# Altium PCB ADAPTONE_CARTE_DE_SON_V2.PcbDoc (part 1 of 2)
Units mil, origin at the board's own origin, x right, y up, seen from the top; angles counter-clockwise.
Board outline 6000 x 4000 mil, 2 copper layers (Top Layer, Bottom Layer); 585 components, 362 nets, 1738 pads, 0 vias.
Unrouted connection lines stored in the file: 1315.
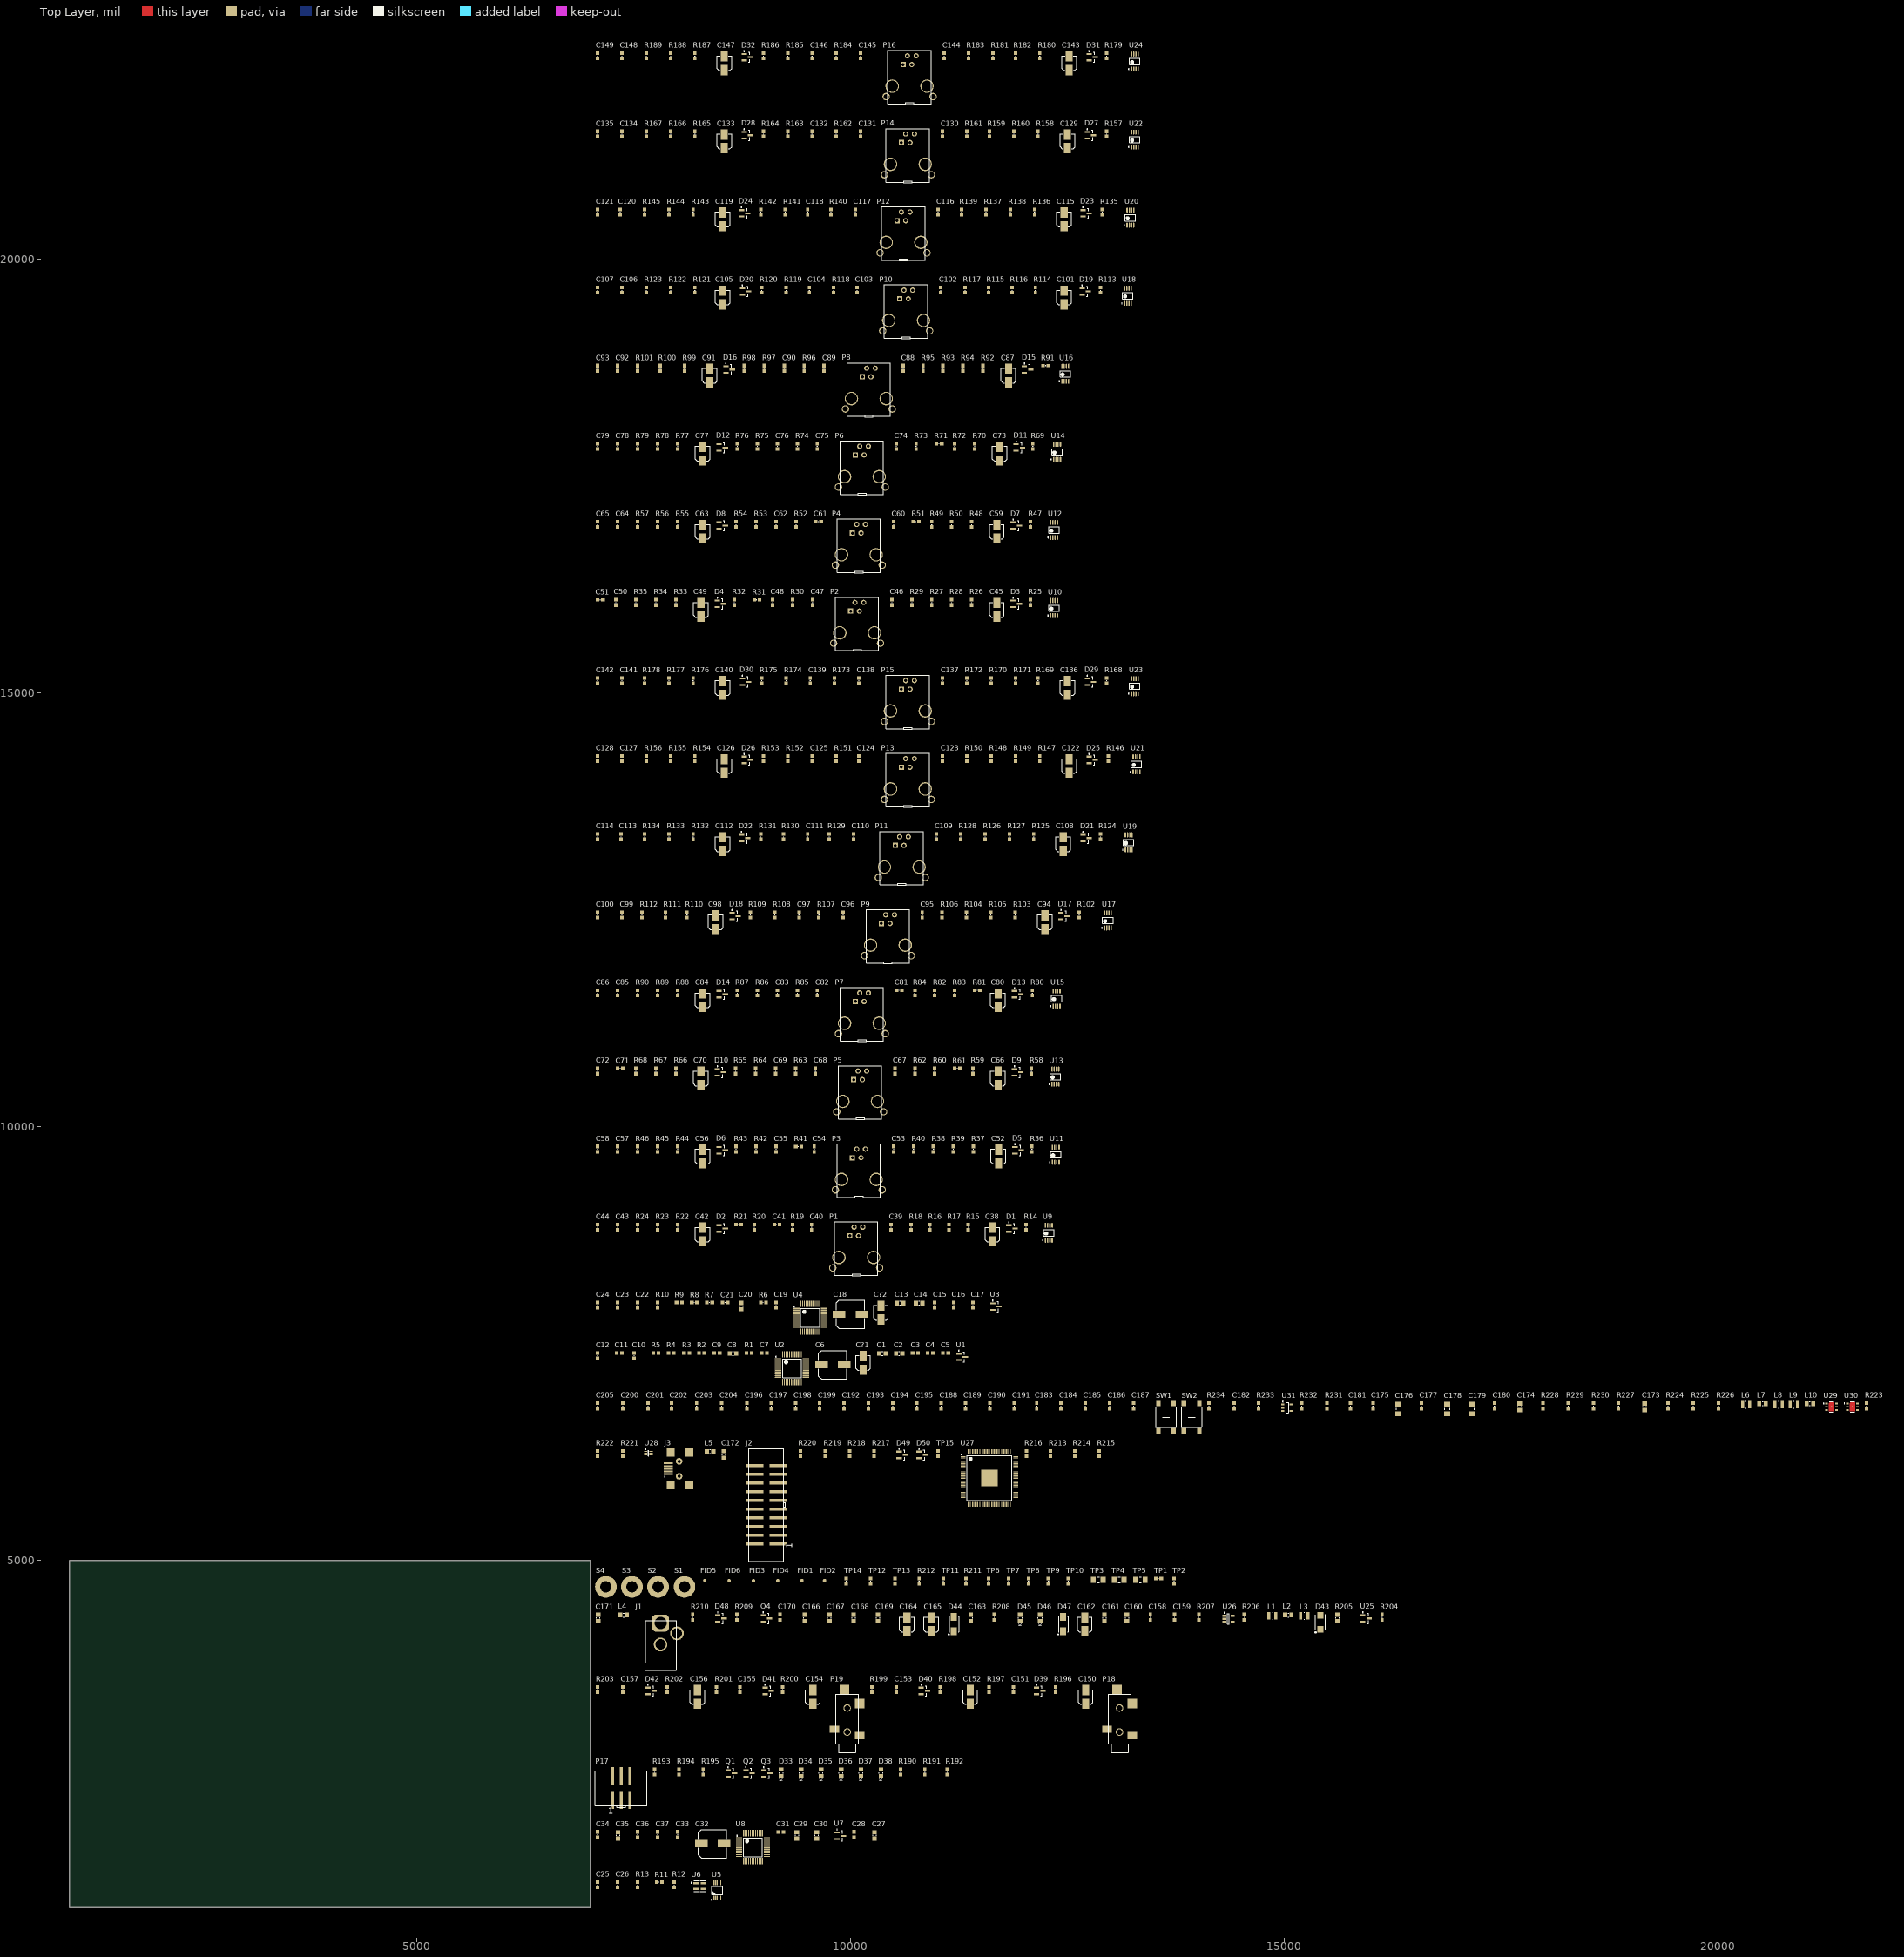
[diagram p0: Top Layer view]
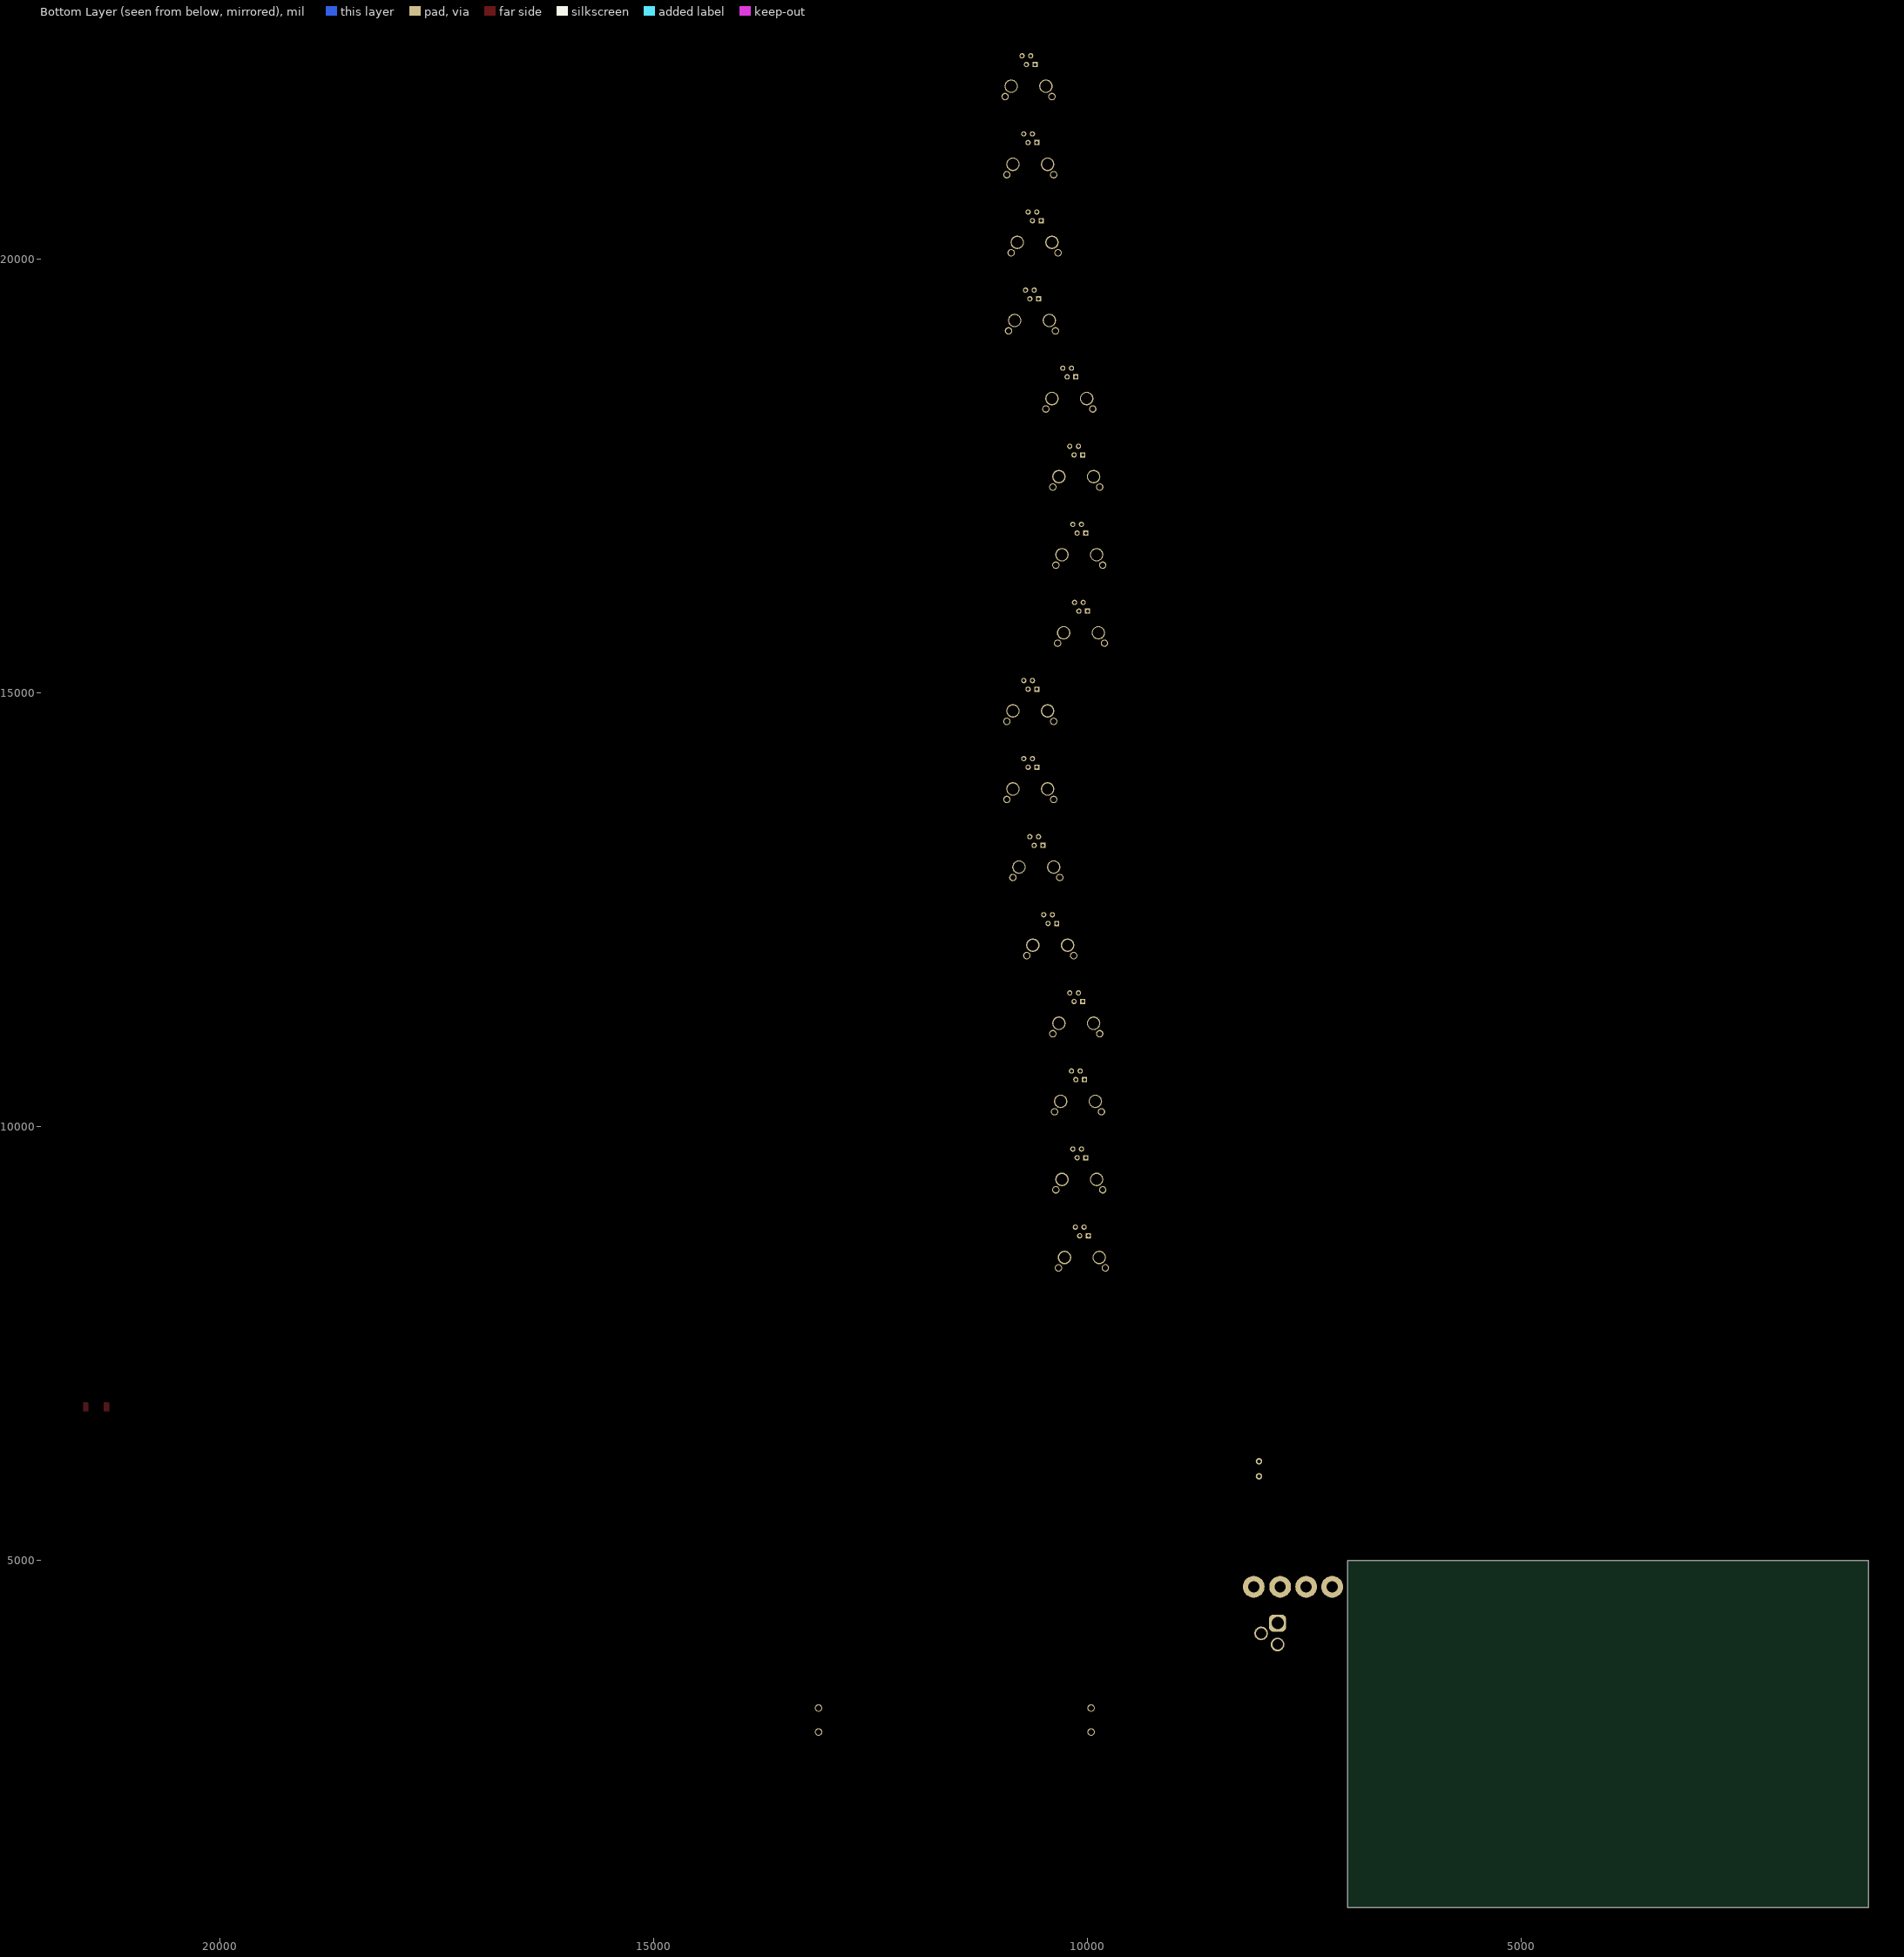
[diagram p1: Bottom Layer view, seen from below]

## Layer stack, top to bottom
Top Solder: solder mask 0.4, Solder Resist, Dk 3.5
Top Layer: signal copper 1.4
Dielectric 1: dielectric 12.6, FR-4, Dk 4.8
Bottom Layer: signal copper 1.4
Bottom Solder: solder mask 0.4, Solder Resist, Dk 3.5

## Board outline
1000,1000 7000,1000 7000,5000 1000,5000

## Design rules (kind name [scope] priority, off if disabled: settings)
Clearance [All] p1: gap=10 ignorepadtopadclearanceinfootprint=FALSE except(0: Arc-Hole Track-Hole SMDPad-Hole THPad-Hole Via-Hole Fill-Hole Poly-Hole Region-Hole Text-Hole)
DiffPairsRouting [All] p1: maxlimit=10 minlimit=10 mostfreqgap=10 toplayer_minwidth=15 toplayer_maxwidth=15 toplayer_prefwidth=15 bottomlayer_minwidth=15 bottomlayer_maxwidth=15 bottomlayer_prefwidth=15 maxuncoupledlength=500
PolygonConnect [All] p1: connectstyle=Relief reliefconductorwidth=10 reliefentries=4 polygonreliefangle="90 Angle" airgapwidth=10
RoomDefinition XMOS_power [InComponentClass('XMOS_power')] p1: confinementstyle=ConfineIn formatcopy=TRUE lockcomponents=FALSE outline 7045,6450 21925,6450 21925,6950 7045,6950
RoomDefinition XMOS1 [InComponentClass('XMOS1')] p2: confinementstyle=ConfineIn formatcopy=TRUE lockcomponents=FALSE outline 7045,4980 13070,4980 13070,6400 7045,6400
RoomDefinition TopLevel [InComponentClass('TopLevel')] p3: confinementstyle=ConfineIn formatcopy=TRUE lockcomponents=FALSE outline 7045,4560 13885,4560 13885,4930 7045,4930
RoomDefinition Power1 [InComponentClass('Power1')] p4: confinementstyle=ConfineIn formatcopy=TRUE lockcomponents=FALSE outline 7045,3725 16340,3725 16340,4515 7045,4515
RoomDefinition OutputConnectors [InComponentClass('OutputConnectors')] p5: confinementstyle=ConfineIn formatcopy=TRUE lockcomponents=FALSE outline 7045,2775 13315,2775 13315,3680 7045,3680
RoomDefinition Other1 [InComponentClass('Other1')] p6: confinementstyle=ConfineIn formatcopy=TRUE lockcomponents=FALSE outline 7045,2060 11320,2060 11320,2730 7045,2730
RoomDefinition InputAmplifier82 [InComponentClass('InputAmplifier82')] p7: confinementstyle=ConfineIn formatcopy=TRUE lockcomponents=FALSE outline 7045,21660 13385,21660 13385,22510 7045,22510
RoomDefinition InputAmplifier81 [InComponentClass('InputAmplifier81')] p8: confinementstyle=ConfineIn formatcopy=TRUE lockcomponents=FALSE outline 7045,14460 13385,14460 13385,15310 7045,15310
RoomDefinition InputAmplifier72 [InComponentClass('InputAmplifier72')] p9: confinementstyle=ConfineIn formatcopy=TRUE lockcomponents=FALSE outline 7045,20760 13385,20760 13385,21610 7045,21610
RoomDefinition InputAmplifier71 [InComponentClass('InputAmplifier71')] p10: confinementstyle=ConfineIn formatcopy=TRUE lockcomponents=FALSE outline 7045,13560 13385,13560 13385,14410 7045,14410
RoomDefinition InputAmplifier62 [InComponentClass('InputAmplifier62')] p11: confinementstyle=ConfineIn formatcopy=TRUE lockcomponents=FALSE outline 7045,19860 13335,19860 13335,20710 7045,20710
RoomDefinition InputAmplifier61 [InComponentClass('InputAmplifier61')] p12: confinementstyle=ConfineIn formatcopy=TRUE lockcomponents=FALSE outline 7045,12660 13305,12660 13305,13510 7045,13510
RoomDefinition InputAmplifier52 [InComponentClass('InputAmplifier52')] p13: confinementstyle=ConfineIn formatcopy=TRUE lockcomponents=FALSE outline 7045,18960 13295,18960 13295,19810 7045,19810
RoomDefinition InputAmplifier51 [InComponentClass('InputAmplifier51')] p14: confinementstyle=ConfineIn formatcopy=TRUE lockcomponents=FALSE outline 7045,11760 13065,11760 13065,12610 7045,12610
RoomDefinition InputAmplifier42 [InComponentClass('InputAmplifier42')] p15: confinementstyle=ConfineIn formatcopy=TRUE lockcomponents=FALSE outline 7045,18060 12575,18060 12575,18910 7045,18910
RoomDefinition InputAmplifier41 [InComponentClass('InputAmplifier41')] p16: confinementstyle=ConfineIn formatcopy=TRUE lockcomponents=FALSE outline 7045,10860 12475,10860 12475,11710 7045,11710
RoomDefinition InputAmplifier32 [InComponentClass('InputAmplifier32')] p17: confinementstyle=ConfineIn formatcopy=TRUE lockcomponents=FALSE outline 7045,17160 12480,17160 12480,18010 7045,18010
RoomDefinition InputAmplifier31 [InComponentClass('InputAmplifier31')] p18: confinementstyle=ConfineIn formatcopy=TRUE lockcomponents=FALSE outline 7045,9960 12460,9960 12460,10810 7045,10810
RoomDefinition InputAmplifier22 [InComponentClass('InputAmplifier22')] p19: confinementstyle=ConfineIn formatcopy=TRUE lockcomponents=FALSE outline 7045,16260 12445,16260 12445,17110 7045,17110
RoomDefinition InputAmplifier21 [InComponentClass('InputAmplifier21')] p20: confinementstyle=ConfineIn formatcopy=TRUE lockcomponents=FALSE outline 7045,9060 12445,9060 12445,9910 7045,9910
RoomDefinition InputAmplifier12 [InComponentClass('InputAmplifier12')] p21: confinementstyle=ConfineIn formatcopy=TRUE lockcomponents=FALSE outline 7045,15360 12445,15360 12445,16210 7045,16210
RoomDefinition InputAmplifier11 [InComponentClass('InputAmplifier11')] p22: confinementstyle=ConfineIn formatcopy=TRUE lockcomponents=FALSE outline 7045,8160 12365,8160 12365,9010 7045,9010
RoomDefinition DAC [InComponentClass('DAC')] p23: confinementstyle=ConfineIn formatcopy=TRUE lockcomponents=FALSE outline 7045,1480 10425,1480 10425,2010 7045,2010
RoomDefinition Clock1 [InComponentClass('Clock1')] p24: confinementstyle=ConfineIn formatcopy=TRUE lockcomponents=FALSE outline 7045,1060 8545,1060 8545,1430 7045,1430
RoomDefinition ADC2 [InComponentClass('ADC2')] p25: confinementstyle=ConfineIn formatcopy=TRUE lockcomponents=FALSE outline 7045,7580 11760,7580 11760,8110 7045,8110
RoomDefinition ADC1 [InComponentClass('ADC1')] p26: confinementstyle=ConfineIn formatcopy=TRUE lockcomponents=FALSE outline 7045,7000 11370,7000 11370,7530 7045,7530
RoutingVias [All] p1: holewidth=28 width=50 viastyle="Through Hole" minholewidth=28 minwidth=50 maxholewidth=28 maxwidth=50
SolderMaskExpansion [All] p1: expansion=4
Width [All] p1: maxlimit=10 minlimit=10 preferedwidth=10
29 further rules are at their usual default settings.

## Classes and differential pairs
channel class InputAmplifier: InputAmplifier11 InputAmplifier12 InputAmplifier21 InputAmplifier22 InputAmplifier31 InputAmplifier32 InputAmplifier41 InputAmplifier42 InputAmplifier51 InputAmplifier52 InputAmplifier61 InputAmplifier62 InputAmplifier71 InputAmplifier72 InputAmplifier81 InputAmplifier82
channel class AudioInputs_8: AudioInputs_1-8 AudioInputs_9-15
channel class ADC: ADC1 ADC2
component class XMOS_power: C173 C174 C175 C176 C177 C178 C179 C180 C181 C182 C183 C184 C185 C186 C187 C188 C189 C190 C191 C192 C193 C194 C195 C196 C197 C198 C199 C200 C201 C202 C203 C204 C205 L6 L7 L8 L9 L10 R223 R224 R225 R226 R227 R228 R229 R230 R231 R232 R233 R234 SW1 SW2 U29 U30 U31
component class XMOS1: C172 D49 D50 J2 J3 L5 R213 R214 R215 R216 R217 R218 R219 R220 R221 R222 TP15 U27 U28
component class TopLevel: FID1 FID2 FID3 FID4 FID5 FID6 R211 R212 S1 S2 S3 S4 TP1 TP2 TP3 TP4 TP5 TP6 TP7 TP8 TP9 TP10 TP11 TP12 TP13 TP14
component class Power1: C158 C159 C160 C161 C162 C163 C164 C165 C166 C167 C168 C169 C170 C171 D43 D44 D45 D46 D47 D48 J1 L1 L2 L3 L4 Q4 R204 R205 R206 R207 R208 R209 R210 U25 U26
component class OutputConnectors: C150 C151 C152 C153 C154 C155 C156 C157 D39 D40 D41 D42 P18 P19 R196 R197 R198 R199 R200 R201 R202 R203
component class Other1: D33 D34 D35 D36 D37 D38 P17 Q1 Q2 Q3 R190 R191 R192 R193 R194 R195
component class InputAmplifier82: C143 C144 C145 C146 C147 C148 C149 D31 D32 P16 R179 R180 R181 R182 R183 R184 R185 R186 R187 R188 R189 U24
component class InputAmplifier81: C136 C137 C138 C139 C140 C141 C142 D29 D30 P15 R168 R169 R170 R171 R172 R173 R174 R175 R176 R177 R178 U23
component class InputAmplifier72: C129 C130 C131 C132 C133 C134 C135 D27 D28 P14 R157 R158 R159 R160 R161 R162 R163 R164 R165 R166 R167 U22
component class InputAmplifier71: C122 C123 C124 C125 C126 C127 C128 D25 D26 P13 R146 R147 R148 R149 R150 R151 R152 R153 R154 R155 R156 U21
component class InputAmplifier62: C115 C116 C117 C118 C119 C120 C121 D23 D24 P12 R135 R136 R137 R138 R139 R140 R141 R142 R143 R144 R145 U20
component class InputAmplifier61: C108 C109 C110 C111 C112 C113 C114 D21 D22 P11 R124 R125 R126 R127 R128 R129 R130 R131 R132 R133 R134 U19
component class InputAmplifier52: C101 C102 C103 C104 C105 C106 C107 D19 D20 P10 R113 R114 R115 R116 R117 R118 R119 R120 R121 R122 R123 U18
component class InputAmplifier51: C94 C95 C96 C97 C98 C99 C100 D17 D18 P9 R102 R103 R104 R105 R106 R107 R108 R109 R110 R111 R112 U17
component class InputAmplifier42: C87 C88 C89 C90 C91 C92 C93 D15 D16 P8 R91 R92 R93 R94 R95 R96 R97 R98 R99 R100 R101 U16
component class InputAmplifier41: C80 C81 C82 C83 C84 C85 C86 D13 D14 P7 R80 R81 R82 R83 R84 R85 R86 R87 R88 R89 R90 U15
component class InputAmplifier32: C73 C74 C75 C76 C77 C78 C79 D11 D12 P6 R69 R70 R71 R72 R73 R74 R75 R76 R77 R78 R79 U14
component class InputAmplifier31: C66 C67 C68 C69 C70 C71 C72 D9 D10 P5 R58 R59 R60 R61 R62 R63 R64 R65 R66 R67 R68 U13
component class InputAmplifier22: C59 C60 C61 C62 C63 C64 C65 D7 D8 P4 R47 R48 R49 R50 R51 R52 R53 R54 R55 R56 R57 U12
component class InputAmplifier21: C52 C53 C54 C55 C56 C57 C58 D5 D6 P3 R36 R37 R38 R39 R40 R41 R42 R43 R44 R45 R46 U11
component class InputAmplifier12: C45 C46 C47 C48 C49 C50 C51 D3 D4 P2 R25 R26 R27 R28 R29 R30 R31 R32 R33 R34 R35 U10
component class InputAmplifier11: C38 C39 C40 C41 C42 C43 C44 D1 D2 P1 R14 R15 R16 R17 R18 R19 R20 R21 R22 R23 R24 U9
component class DAC: C27 C28 C29 C30 C31 C32 C33 C34 C35 C36 C37 U7 U8
component class Clock1: C25 C26 R11 R12 R13 U5 U6
component class ADC2: C13 C14 C15 C16 C17 C18 C19 C20 C21 C22 C23 C24 C?2 R6 R7 R8 R9 R10 U3 U4
component class ADC1: C1 C2 C3 C4 C5 C6 C7 C8 C9 C10 C11 C12 C?1 R1 R2 R3 R4 R5 U1 U2
differential pair USB_D: +USB_D_P -USB_D_N
differential pair USB_Da: +USB_Da_P -USB_Da_N
differential pair IN16: +IN16_P -IN16_N
differential pair IN15: +IN15_P -IN15_N
differential pair IN14: +IN14_P -IN14_N
differential pair IN13: +IN13_P -IN13_N
differential pair IN12: +IN12_P -IN12_N
differential pair IN11: +IN11_P -IN11_N
differential pair IN10: +IN10_P -IN10_N
differential pair IN9: +IN9_P -IN9_N
differential pair IN8: +IN8_P -IN8_N
differential pair IN7: +IN7_P -IN7_N
differential pair IN6: +IN6_P -IN6_N
differential pair IN5: +IN5_P -IN5_N
differential pair IN4: +IN4_P -IN4_N
differential pair IN3: +IN3_P -IN3_N
differential pair IN2: +IN2_P -IN2_N
differential pair IN1: +IN1_P -IN1_N

## Components (designator, comment, footprint, x,y, rotation, side; value= is the part's Value field where it differs from the comment)
C1 "Capacitor" 0805 10365,7385 r0 top value=4u7F (schematic designator C18)
C2 "Capacitor" 0805 10560,7385 r0 top value=4u7F (schematic designator C19)
C3 "Capacitor" 0603 10745,7390 r0 top value=100nF (schematic designator C20)
C4 "Capacitor" 0603 10920,7390 r0 top value=100nF (schematic designator C21)
C5 "Capacitor" 0603 11095,7390 r0 top value=100nF (schematic designator C22)
C6 "Capacitor_Polarized_1" CAP_RAD_SMD_DIA315 9795,7255 r0 top value=220uF (schematic designator C23)
C7 "Capacitor" 0603 9005,7390 r0 top value=100nF (schematic designator C24)
C8 "Capacitor" 0805 8645,7385 r0 top value=4u7F (schematic designator C25)
C9 "Capacitor" 0603 8460,7390 r0 top value=100nF (schematic designator C26)
C10 "Capacitor" 0603 7505,7360 r90 top value=100nF (schematic designator C27)
C11 "Capacitor" 0603 7335,7390 r0 top value=100nF (schematic designator C28)
C12 "Capacitor" 0603 7085,7360 r90 top value=100nF (schematic designator C29)
C13 "Capacitor" 0805 10570,7965 r0 top value=4u7F (schematic designator C18)
C14 "Capacitor" 0805 10790,7965 r0 top value=4u7F (schematic designator C19)
C15 "Capacitor" 0603 10970,7940 r90 top value=100nF (schematic designator C20)
C16 "Capacitor" 0603 11190,7940 r90 top value=100nF (schematic designator C21)
C17 "Capacitor" 0603 11410,7940 r90 top value=100nF (schematic designator C22)
C18 "Capacitor_Polarized_1" CAP_RAD_SMD_DIA315 10000,7835 r0 top value=220uF (schematic designator C23)
C19 "Capacitor" 0603 9140,7940 r90 top value=100nF (schematic designator C24)
C20 "Capacitor" 0805 8740,7930 r90 top value=4u7F (schematic designator C25)
C21 "Capacitor" 0603 8555,7970 r0 top value=100nF (schematic designator C26)
C22 "Capacitor" 0603 7545,7940 r90 top value=100nF (schematic designator C27)
C23 "Capacitor" 0603 7315,7940 r90 top value=100nF (schematic designator C28)
C24 "Capacitor" 0603 7085,7940 r90 top value=100nF (schematic designator C29)
C25 "Capacitor" 0603 7085,1260 r90 top value=100nF (schematic designator C1)
C26 "Capacitor" 0603 7315,1260 r90 top value=100nF (schematic designator C2)
C27 "Capacitor" 0805 10275,1830 r90 top value=4u7F (schematic designator C70)
C28 "Capacitor" 0603 10040,1840 r90 top value=100nF (schematic designator C71)
C29 "Capacitor" 0805 9380,1830 r90 top value=4u7F (schematic designator C72)
C30 "Capacitor" 0805 9610,1830 r90 top value=4u7F (schematic designator C73)
C31 "Capacitor" 0603 9195,1870 r0 top value=100nF (schematic designator C74)
C32 "Capacitor_Polarized_1" CAP_RAD_SMD_DIA315 8410,1735 r0 top value=220uF (schematic designator C75)
C33 "Capacitor" 0603 8005,1840 r90 top value=100nF (schematic designator C76)
C34 "Capacitor" 0603 7085,1840 r90 top value=100nF (schematic designator C77)
C35 "Capacitor" 0805 7320,1830 r90 top value=4u7F (schematic designator C78)
C36 "Capacitor" 0603 7545,1840 r90 top value=100nF (schematic designator C79)
C37 "Capacitor" 0603 7775,1840 r90 top value=100nF (schematic designator C80)
C38 "Capacitor_Polarized" CAP_RAD_SMD_DIA157 11635,8755 r90 top value=10uF (schematic designator C30)
C39 "Capacitor" 0603 10465,8840 r90 top value=470pF (schematic designator C31)
C40 "Capacitor" 0603 9550,8840 r90 top value=2200pF (schematic designator C32)
C41 "Capacitor" 0603 9150,8870 r0 top value=100nF (schematic designator C33)
C42 "Capacitor_Polarized" CAP_RAD_SMD_DIA157 8295,8755 r90 top value=10uF (schematic designator C34)
C43 "Capacitor" 0603 7315,8840 r90 top value=470pF (schematic designator C35)
C44 "Capacitor" 0603 7085,8840 r90 top value=100nF (schematic designator C36)
C45 "Capacitor_Polarized" CAP_RAD_SMD_DIA157 11685,15955 r90 top value=10uF (schematic designator C30)
C46 "Capacitor" 0603 10475,16040 r90 top value=470pF (schematic designator C31)
C47 "Capacitor" 0603 9560,16040 r90 top value=2200pF (schematic designator C32)
C48 "Capacitor" 0603 9100,16040 r90 top value=100nF (schematic designator C33)
C49 "Capacitor_Polarized" CAP_RAD_SMD_DIA157 8275,15955 r90 top value=10uF (schematic designator C34)
C50 "Capacitor" 0603 7295,16040 r90 top value=470pF (schematic designator C35)
C51 "Capacitor" 0603 7115,16070 r0 top value=100nF (schematic designator C36)
C52 "Capacitor_Polarized" CAP_RAD_SMD_DIA157 11705,9655 r90 top value=10uF (schematic designator C30)
C53 "Capacitor" 0603 10495,9740 r90 top value=470pF (schematic designator C31)
C54 "Capacitor" 0603 9580,9740 r90 top value=2200pF (schematic designator C32)
C55 "Capacitor" 0603 9140,9740 r90 top value=100nF (schematic designator C33)
C56 "Capacitor_Polarized" CAP_RAD_SMD_DIA157 8295,9655 r90 top value=10uF (schematic designator C34)